# Altium PCB keyboard_main.PcbDoc (continued)
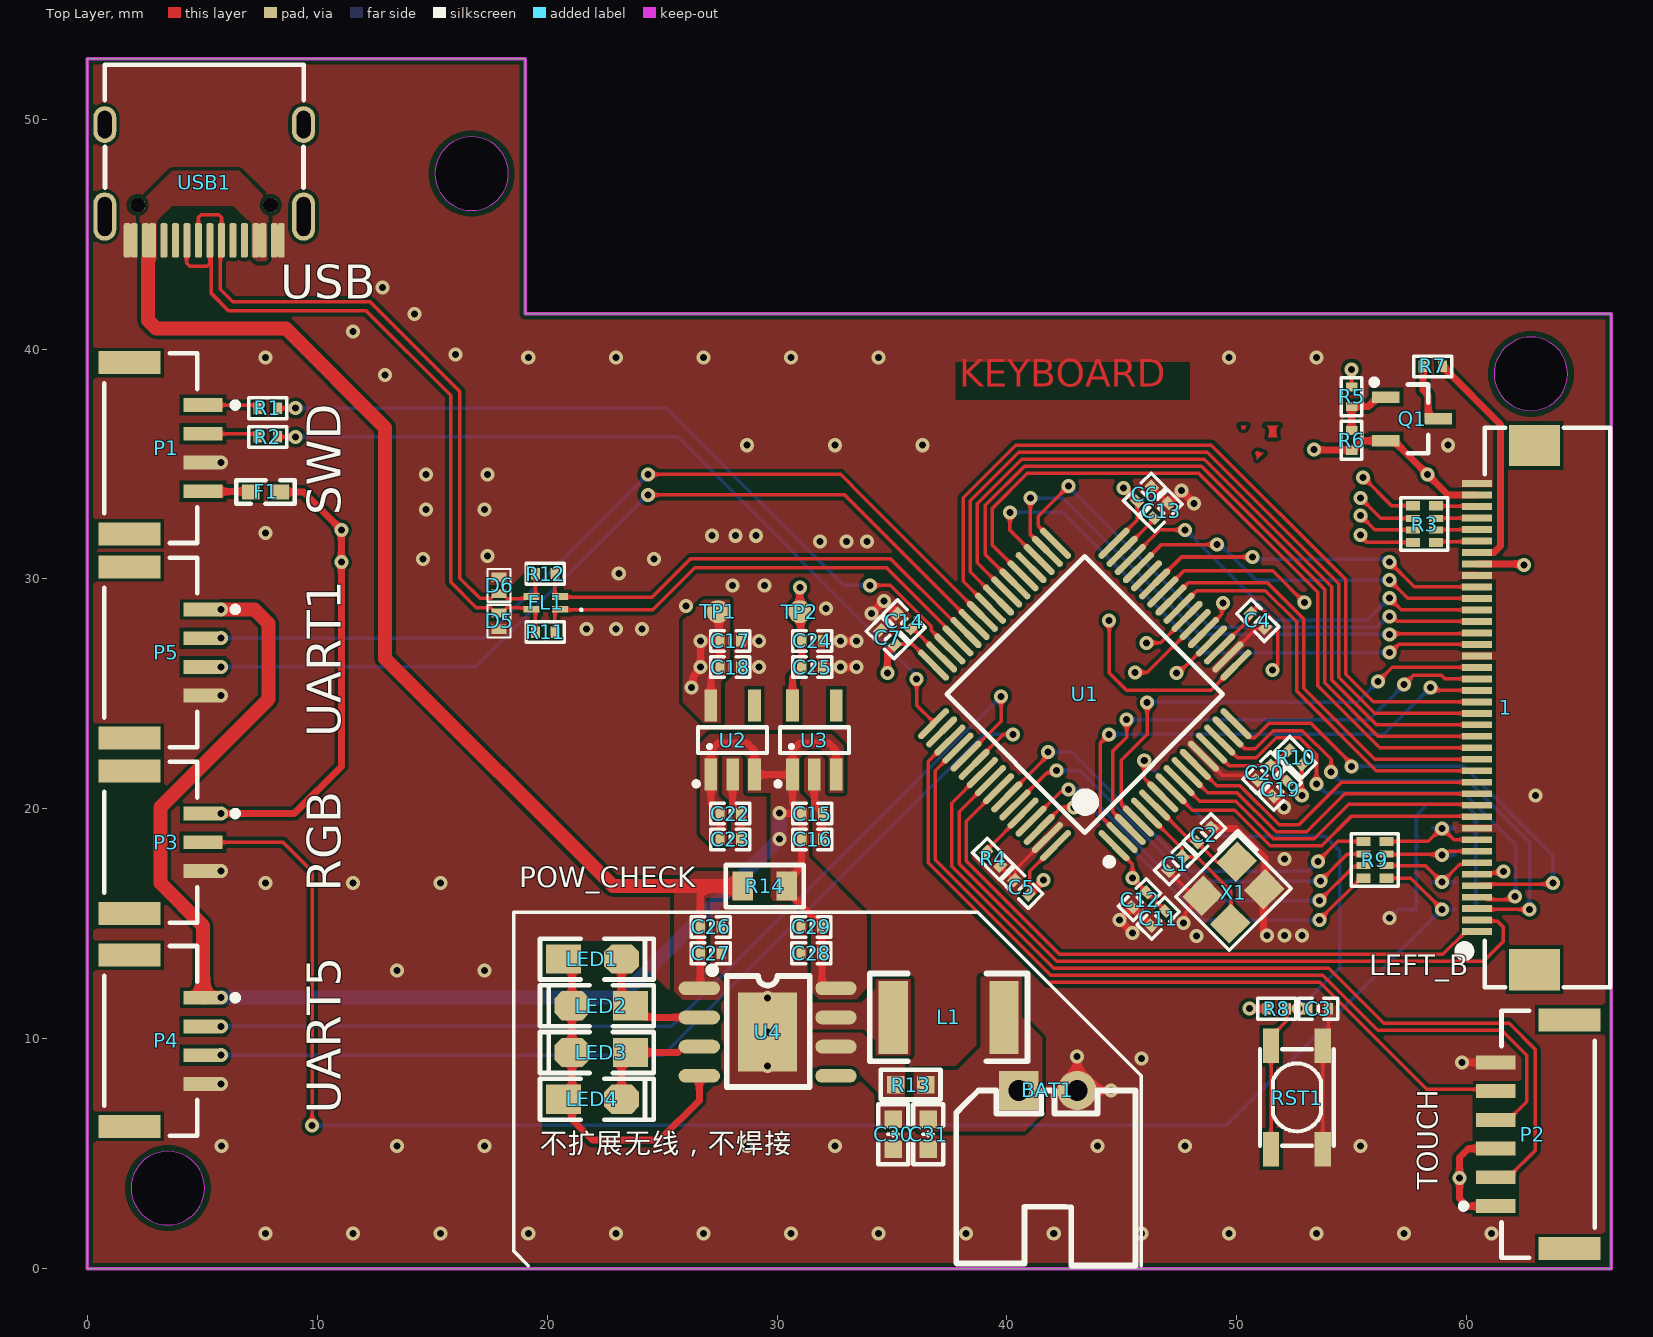
[diagram p0: Top Layer view]
## Footprints (in the part's own frame and the unit in brackets; to place one, negate y for a bottom-side part, rotate by r counter-clockwise, add the part's x,y. Pads: shape width x height; smd on the part's side, far side on the other; paste and mask are expansions set on the pad)
"C 0402_L" [mm] "无极性贴片电容         淘宝ID:黄晶宝石"
  rect 0.4x0.5 smd: 1(-0.45,0) 2(0.45,0)
  silkscreen extent -0.85,-0.45 0.85,0.45, body extent -0.5,-0.26 0.5,0.26, height 0.53
"C 0603_L" [mil] "无极性贴片电容                                       淘宝ID:黄晶宝石"
  rect 30x30 smd: 1(-25.59,0) 2(25.59,0)
  silkscreen extent -51,-26 51,26, body extent -31,-16 31,16, height 32
DLP11SA350HL2B [mm]
  rect 0.7x0.3 smd: 1(-0.625,0.275) 2(0.625,0.275) 3(0.625,-0.275) 4(-0.625,-0.275)
  silkscreen extent -1.6,0.25 -1.5,0.35, body extent -0.63,-0.5 0.63,0.5, height 0.82
"FPC0.5 2H-WS-40P" [mm] "长：24.2mm，宽：5.2mm，高：2mm 淘宝ID:黄晶宝石   店铺网址:https://shop463601444.taobao.com"
  rect 1.8x2.2 smd: 0(-11.4,0) 0(11.4,0)
  rect 0.3x1.3 smd: 1(-9.75,2.497) 2(-9.25,2.497) 3(-8.75,2.497) 4(-8.25,2.497) 5(-7.75,2.497) 6(-7.25,2.497) 7(-6.75,2.497) 8(-6.25,2.497) 9(-5.75,2.497) 10(-5.25,2.497) 11(-4.75,2.497) 12(-4.25,2.497) 13(-3.75,2.497) 14(-3.25,2.497) 15(-2.75,2.497) 16(-2.25,2.497) 17(-1.75,2.497) 18(-1.25,2.497) 19(-0.75,2.497) 20(-0.25,2.497) 21(0.25,2.497) 22(0.75,2.497) 23(1.25,2.497) 24(1.75,2.497) 25(2.25,2.497) 26(2.75,2.497) 27(3.25,2.497) 28(3.75,2.497) 29(4.25,2.497) 30(4.75,2.497) 31(5.25,2.497) 32(5.75,2.497) 33(6.25,2.497) 34(6.75,2.497) 35(7.25,2.497) 36(7.75,2.497) 37(8.25,2.497) 38(8.75,2.497) 39(9.25,2.497) 40(9.75,2.497)
  silkscreen extent -12.17,-3.3 12.17,3.23, body extent -12.1,-3.15 12.1,2.85, height 2
"FU 0402" [mil] "贴片保险丝          淘宝ID:黄晶宝石"
  rect 30x25 smd: 1(-25,0) 2(25,0)
  silkscreen extent -50,-20 50,20, body extent -20,-10 20,10, height 15
JST-SM03B-GHS-TB_V [mm] "SMD, 3-Leads, Body 7.00x4.05mm, Pitch 1.25mm"
  rect 0.6x1.7 smd: 1(-1.25,1.6) 2(0,1.6) 3(1.25,1.6)
  rect 1x2.7 smd: MP1(-3.1,-1.6) MP2(3.1,-1.6)
  silkscreen extent -3.5,-2.7 3.5,3.13, body extent -3.5,-2.7 3.5,2.15, height 4.35
JST-SM04B-GHS-TB_V [mm] "SMD, 4-Leads, Body 8.25x4.05mm, Pitch 1.25mm"
  rect 0.6x1.7 smd: 1(-1.875,1.6) 2(-0.625,1.6) 3(0.625,1.6) 4(1.875,1.6)
  rect 1x2.7 smd: MP1(-3.725,-1.6) MP2(3.725,-1.6)
  silkscreen extent -4.13,-2.7 4.13,3.12, body extent -4.12,-2.7 4.13,2.15, height 4.35
JST-SM06B-GHS-TB_V [mm] "SMD, 6-Leads, Body 10.75x4.05mm, Pitch 1.25mm"
  rect 0.6x1.7 smd: 1(-3.125,1.6) 2(-1.875,1.6) 3(-0.625,1.6) 4(0.625,1.6) 5(1.875,1.6) 6(3.125,1.6)
  rect 1x2.7 smd: MP1(-4.975,-1.6) MP2(4.975,-1.6)
  silkscreen extent -5.38,-2.7 5.38,3.12, body extent -5.37,-2.7 5.38,2.15, height 4.35
"L 1812" [mil] "小功率贴片电感"
  rect 50x125 smd: 1(-95,0) 2(95,0)
  silkscreen extent -135,-75 135,75, body extent -89,-63 89,63, height 59
"LED 0805G" [mil] "绿色0805LED                              淘宝ID:黄晶宝石"
  rect 60x50 smd: 1(-50,0)
  oct 60x50 smd: 2(50,0)
  silkscreen extent -90,-35 105,35, body extent -39,-25 39,25, height 26
LQFP-64_10X10X05P [mm]
  oval 1.796x0.28 smd: 1(-5.55,3.75) 2(-5.55,3.25) 3(-5.55,2.75) 4(-5.55,2.25) 5(-5.55,1.75) 6(-5.55,1.25) 7(-5.55,0.75) 8(-5.55,0.25) 9(-5.55,-0.25) 10(-5.55,-0.75) 11(-5.55,-1.25) 12(-5.55,-1.75) 13(-5.55,-2.25) 14(-5.55,-2.75) 15(-5.55,-3.25) 16(-5.55,-3.75) 33(5.55,-3.75) 34(5.55,-3.25) 35(5.55,-2.75) 36(5.55,-2.25) 37(5.55,-1.75) 38(5.55,-1.25) 39(5.55,-0.75) 40(5.55,-0.25) 41(5.55,0.25) 42(5.55,0.75) 43(5.55,1.25) 44(5.55,1.75) 45(5.55,2.25) 46(5.55,2.75) 47(5.55,3.25) 48(5.55,3.75)
  oval 0.28x1.796 smd: 17(-3.75,-5.55) 18(-3.25,-5.55) 19(-2.75,-5.55) 20(-2.25,-5.55) 21(-1.75,-5.55) 22(-1.25,-5.55) 23(-0.75,-5.55) 24(-0.25,-5.55) 25(0.25,-5.55) 26(0.75,-5.55) 27(1.25,-5.55) 28(1.75,-5.55) 29(2.25,-5.55) 30(2.75,-5.55) 31(3.25,-5.55) 32(3.75,-5.55) 49(3.75,5.55) 50(3.25,5.55) 51(2.75,5.55) 52(2.25,5.55) 53(1.75,5.55) 54(1.25,5.55) 55(0.75,5.55) 56(0.25,5.55) 57(-0.25,5.55) 58(-0.75,5.55) 59(-1.25,5.55) 60(-1.75,5.55) 61(-2.25,5.55) 62(-2.75,5.55) 63(-3.25,5.55) 64(-3.75,5.55)
  silkscreen extent -6.05,-4.25 4.25,4.55, body extent -5.89,-5.89 5.89,5.89, height 1.55
"OSC 3225-4P" [mm] "3.2*2.5*0.7mm(长宽高)                         淘宝ID:黄晶宝石"
  rect 1.3x1.2 smd: 1(-1.05,-0.85) 2(1.05,-0.85) 3(1.05,0.85) 4(-1.05,0.85)
  silkscreen extent -2.03,-1.75 1.9,1.65, body extent -1.6,-1.25 1.6,1.25, height 0.7
"R 0402_L" [mm] "1/16W贴片电阻     淘宝ID:黄晶宝石"
  rect 0.4x0.5 smd: 1(-0.4,0) 2(0.45,0)
  silkscreen extent -0.8,-0.45 0.85,0.45, body extent -0.5,-0.25 0.5,0.25, height 0.3
"R 0603_L" [mil] "1/10W贴片电阻                 淘宝ID:黄晶宝石"
  rect 30x30 smd: 1(-25.59,0) 2(25.59,0)
  silkscreen extent -51,-26 51,26, body extent -31,-16 32,16, height 16
"R 0805_L" [mil] "1/8W贴片电阻"
  rect 35x50 smd: 1(-37.4,0) 2(37.4,0)
  silkscreen extent -67,-36 67,36, body extent -39,-25 39,25, height 20
RCA-8P4R-0402 [mm] "2mm*1mm*0.45mm(长*宽*厚)"
  rect 0.4x0.6 smd: 1(-0.8,-0.5) 4(0.8,-0.5) 5(0.8,0.5) 8(-0.8,0.5)
  rect 0.3x0.6 smd: 2(-0.25,-0.5) 3(0.25,-0.5) 6(0.25,0.5) 7(-0.25,0.5)
  silkscreen extent -1.14,-1.02 1.15,1.01, body extent -1,-0.5 1,0.5, height 0.45
SMD-3.2*4.2 [mm]
  rect 1.5x0.7 smd: 1(-2.25,1.125) 1(2.25,1.125) 2(-2.25,-1.125) 2(2.25,-1.125)
  silkscreen extent -2.1,-1.6 2.1,1.6, body extent -2.73,-1.6 2.47,1.58, height 1.8
SOD-882_L1.0-W0.6-BI [mm]
  rect 0.4x0.65 smd: 1(-0.35,0) 2(0.35,0)
  silkscreen extent -0.71,-0.5 0.71,0.5, body extent -0.51,-0.3 0.49,0.3, height 0.43
SOP-8_EP_150mil [mm]
  oval 0.6x1.798 smd: 1(-1.905,-2.972) 2(-0.635,-2.972) 3(0.635,-2.972) 4(1.905,-2.972) 5(1.905,2.972) 6(0.635,2.972) 7(-0.635,2.972) 8(-1.905,2.972)
  rect 3.45x2.56 smd: 9(0,0)
  silkscreen extent -2.84,-2.56 2.39,1.83, body extent -2.5,-3.17 2.5,2.83, height 1.9
SOT23-3N [mm] "3x1.3x1mm(长宽高)    封装库来自淘宝卖家 ID：黄晶宝石"
  rect 0.5x1.2 smd: 1(-0.95,-1.143) 2(0.95,-1.143) 3(0,1.143)
  silkscreen extent -1.72,-1.78 1.5,0.7, body extent -1.5,-1.2 1.5,1.2, height 1.05
SOT23-5M [mm] "3x1.6x1.1mm(长宽高) 封装库来自淘宝卖家 ID：黄晶宝石"
  rect 0.55x1.4 smd: 1(-0.95,-1.5) 2(0,-1.5) 3(0.95,-1.5) 4(0.95,1.5) 5(-0.95,1.5)
  silkscreen extent -1.66,-1.98 1.5,0.56, body extent -1.5,-1.4 1.5,1.4, height 1.15
"TEST 1" [mm] "测试点1mm"
  round 1 smd paste-1: 1(0,0)
Type-C-TOP [mm]
  round 0.65 hole 0.65: 0(-0.98,2.89) 0(-0.98,-2.89)
  oval 1.6x1 hole 0.6 slot 1.2 at 0 deg: 1(2.52,4.325) 2(2.52,-4.325)
  oval 2.1x1 hole 0.6 slot 1.7 at 0 deg: 3(-1.48,-4.325) 4(-1.48,4.325)
  rrect50% 1.5x0.3 smd: A1(-2.52,-3.35) A4(-2.52,-2.55) A5(-2.52,-1.25) A6(-2.52,-0.25) A7(-2.52,0.25) A8(-2.52,1.25) A9(-2.52,2.55) A12(-2.52,3.35) B1(-2.52,3.05) B4(-2.52,2.25) B5(-2.52,1.75) B6(-2.52,0.75) B7(-2.52,-0.75) B8(-2.52,-1.75) B9(-2.52,-2.25) B12(-2.52,-3.05)
  silkscreen extent -0.22,-4.33 5.12,4.33, body extent -2.64,-4.48 5.26,4.46, height 3.28
XH2.54-WI-2P [mm] "接插件，2P"
  rect 1.7x1.7 hole 0.9: 1(-1.27,0)
  round 1.7 hole 0.9: 2(1.27,0)
  silkscreen extent -3.99,-7.62 3.81,0, body extent -3.77,-7.35 3.77,0.35, height 5.73

## Part data
1: library part FPC-40P, "FPC连接器", BOM名称=FPC连接器, 学习资源=https://lmdzstyle.taobao.com/, 版权归属=黎明电子style
BAT1: library part "Header 2", "2P接插件"
C1 C2 C3 C4 C5 C6 C7 C8 C9 C10 C11 C12 C13 C14 C15 C16 C17 C18 C19 C20 C21 C22 C23 C24 C25 C26 C27 C28 C29 C30 C31: library part C, "贴片电容"
D1 D2 D3 D4 D5 D6: "PESD5V0F1BL,315、ESD二极管、5.5V"
F1: library part FU, "贴片保险丝"
FL1: "Filter", Manufacturer_Name="Murata Electronics", Mouser Part Number=81-DLP11SN900HL2B, Datasheet Link=https://www.murata.com/en-us/products/productdetail?partno=DLP11SN900HL2%23, Height=0.92mm, Manufacturer_Part_Number=DLP11SN900HL2B, Mouser Price/Stock=https://www.mouser.co.uk/ProductDetail/Murata-Electronics/DLP11SN900HL2B?qs=%2F%252BYoplLUB5ikZtvOhZcMEg%3D%3D
L1: library part L, "小功率贴片电感"
LED1 LED2 LED3 LED4: library part LED-SMD, "贴片LED"
P1 P4 P5: library part SM04B-GHS-TB(LF)(SN), "GH Disconnectable Crimp Style Connector, Pitch 1.25 mm, 1 x 4 Position, Height 4.25 mm, -25 to 85 degC, RoHS, Tape and Reel", Manufacturer=JST, Package Description="GH Disconnectable Crimp Style Connector, Pitch 1.25 mm, 1 x 4 Position, Height 4.25 mm", Package Reference=SM04B-GHS-TB, Datasheet URL=http://www.jst-mfg.com/product/pdf/eng/eGH.pdf, Datasheet Version=05/2016, Manufacturer URL=http://www.jst.com/home2.html, Mounting Technology=SurfaceMount, No of Positions=4, Pitch=1.25mm, Style/Orientation=RightAngleHeader/Plug, Termination=Crimp, Type=WiretoBoard
P2: library part SM06B-GHS-TB(LF)(SN), "GH Disconnectable Crimp Style Connector, Pitch 1.25 mm, 1 x 6 Position, Height 4.25 mm, -25 to 85 degC, RoHS, Tape and Reel", Manufacturer=JST, Package Description="GH Disconnectable Crimp Style Connector, Pitch 1.25 mm, 1 x 6 Position, Height 4.25 mm", Package Reference=SM06B-GHS-TB, Datasheet URL=http://www.jst-mfg.com/product/pdf/eng/eGH.pdf, Datasheet Version=05/2016, Manufacturer URL=http://www.jst.com/home2.html, Mounting Technology=SurfaceMount, No of Positions=6, Pitch=1.25mm, Style/Orientation=RightAngleHeader/Plug, Termination=Crimp, Type=WiretoBoard
P3: library part SM03B-GHS-TB(LF)(SN), "GH Disconnectable Crimp Style Connector, Pitch 1.25 mm, 1 x 3 Position, Height 4.25 mm, -25 to 85 degC, RoHS, Tape and Reel", Manufacturer=JST, Package Description="GH Disconnectable Crimp Style Connector, Pitch 1.25 mm, 1 x 3 Position, Height 4.25 mm", Package Reference=SM03B-GHS-TB, Datasheet URL=http://www.jst-mfg.com/product/pdf/eng/eGH.pdf, Datasheet Version=05/2016, Manufacturer URL=http://www.jst.com/home2.html, Mounting Technology=SurfaceMount, No of Positions=3, Pitch=1.25mm, Style/Orientation=RightAngleHeader/Plug, Termination=Crimp, Type=WiretoBoard
Q1: library part 8550-SMD, "高频放大-PNP型"
R1 R2 R4 R5 R6 R7 R8 R10 R11 R12 R13 R14: library part R, "贴片电阻"
R3 R9: library part R-8P4R, "贴片排阻"
TP1 TP2: library part TEST, "测试点"
U4: BOM_JLCPCB Part Class="Extended Part", BOM_Manufacturer=INJOINIC, BOM_Manufacturer Part=IP5306, BOM_Supplier=LCSC, BOM_Supplier Part=C181692, Contributor=LCSC, spicePre=U, spiceSymbolName=IP5306
X1: library part XTAL-4P, "4脚无源晶振"

## Via types
v1: diameter 0.61, hole 0.305, Top Layer to Bottom Layer, tented both sides, 184 vias

## Nets (pads, with @x,y where several pads share a name; then routed paths per layer and width w, separated by ;. In a path a pad name is that pad's centre, name@x,y a point inside that pad or via, vN(x,y) a via of type N, cw(c..) or ccw(c..) an arc to the next point about the centre after c; other vN are vias at no path point)
AVCC3V3: C19.1 C20.1 R10.2 U1.13 | length 5
  Top Layer w0.152: U1.13 49.659,21.882 51.258,21.882 51.293,21.917 51.468,21.917 C20.1 ; C19.1 C20.1 ; R10.2 51.598,21.882 C20.1
BAT: BAT1.1 C31.1 L1.2 R13.2
BOOT0: R4.1 U1.60 | length 2.4
  Top Layer w0.152: R4.1 39.102,18.181 40.698,19.777 U1.60
GND: 1.10 1.25 1.32 1.40 BAT1.2 C1.2 C2.2 C3.2 C4.1 C5.1 C6.1 C7.1 C8.1 C9.1 C10.1 C11.1 C12.1 C13.1 C14.1 C15.2 C16.2 C17.2 C18.2 C19.2 C20.2 C21.1 C22.2 C23.2 C24.2 C25.2 C26.2 C27.2 C28.2 C29.2 C30.1 C31.2 D1.2 D2.2 D3.2 D4.2 D5.2 D6.2 P1.3 P2.6 P3.3 P4.4 P5.4 R4.2 RST1.2 U1.12 U1.18 U1.63 U2.2 U3.2 U4.9 USB1.A1 USB1.A12 USB1.B1 USB1.B12 X1.2 X1.4 | length 69.1
  Top Layer w0.152: P4.4 v1(5.811,8.031) ; P3.3 v1(5.811,17.292) ; P5.4 v1(5.811,24.922) ; P1.3 v1(5.811,35.062) ; C7.1 C14.1 ; R4.2 C5.1 40.36,16.935 40.36,17.352 U1.63 ; C6.1 C13.1 ; C1.2 48.099,16.211 X1.2 47.763,15.467 47.763,15.124 v1(47.675,15.036) ; U1.12 49.371,21.463 50.475,21.463 50.692,21.245 C20.2 ; U1.18 50.847,27.84 51.198,27.84 C4.1 ; RST1.2@53.741,5.189 53.741,9.689 53.986,9.934 C3.2
  Top Layer w0.305: U2.2 28.067,20.189 28.417,19.838 C22.2 C23.2 ; C18.2 v1(29.21,26.162) ; C17.2 v1(29.21,27.305) ; v1(29.591,8.809) v1(29.591,10.287) v1(29.591,11.765) ; U3.2 31.623,20.189 31.973,19.838 C15.2 C16.2 ; v1(32.766,26.162) C25.2 v1(33.451,26.162) ; v1(32.766,27.305) C24.2 v1(33.451,27.305) ; v1(34.102,28.501) v1(34.645,29.044) C14.1 ; v1(43.053,9.225) BAT1.2 v1(44.531,7.747) ; v1(45.453,14.605) v1(44.892,15.166) C12.1 C11.1 ; C13.1 v1(47.587,33.845) v1(48.147,33.285) ; C2.2 48.947,19.15 49.938,19.15 51.23,17.858 51.23,16.53 X1.4 51.159,16.459 51.159,14.709 51.308,14.56 v1(51.308,14.478) ; C20.2 C19.2 v1(52.047,20.066) ; RST1.2@53.741,4.953 RST1.2@53.741,5.189 ; v1(59.787,8.967) P2.6
  Bottom Layer w0.152: v1(56.642,15.24) 57.023,15.621 D4.2 D3.2 D2.2 D1.2 57.816,19.716 58.293,20.193 59.944,20.193 60.394,19.743 C8.1 C10.1 C21.1
  other v1: 7.747,1.524 11.557,1.524 15.367,1.524 19.177,1.524 22.987,1.524 26.797,1.524 30.607,1.524 34.417,1.524 38.227,1.524 42.037,1.524 45.847,1.524 49.657,1.524 53.467,1.524 57.277,1.524 61.087,1.524 5.842,5.334 13.462,5.334 17.272,5.334 28.702,5.334 32.512,5.334 43.942,5.334 47.752,5.334 55.372,5.334 45.847,9.144 13.462,12.954 17.272,12.954 48.247,14.465 52.07,14.478 52.832,14.478 7.747,16.764 11.557,16.764 15.367,16.764 52.07,17.805 62.992,20.574 21.717,27.813 22.987,27.813 24.13,27.813 32.131,28.702 26.035,28.829 28.067,29.718 29.464,29.718 23.114,30.226 14.605,30.861 24.638,30.861 17.399,30.988 31.877,31.623 33.02,31.623 33.909,31.623 27.178,31.877 28.194,31.877 29.083,31.877 7.747,32.004 14.732,33.02 17.272,33.02 14.732,34.544 17.399,34.544 28.702,35.814 32.512,35.814 36.322,35.814 59.182,35.814 12.954,38.862 7.747,39.624 19.177,39.624 22.987,39.624 26.797,39.624 30.607,39.624 34.417,39.624 49.657,39.624 53.467,39.624 16.002,39.751 11.557,40.767 14.224,41.529 12.827,42.672
KEY_POS1: 1.11 U1.8 | length 14.9
  Top Layer w0.152: U1.8 48.067,19.939 49.911,19.939 51.46,18.39 53.696,18.39 54.991,19.685 60.42,19.685 1.11
KEY_POS2: 1.12 U1.9 | length 14.7
  Top Layer w0.152: U1.9 48.392,20.32 49.961,20.32 51.587,18.694 53.365,18.694 54.864,20.193 60.412,20.193 1.12
KEY_POS3: 1.13 U1.10 | length 14.4
  Top Layer w0.152: U1.10 47.855,21.58 48.733,20.701 50.011,20.701 51.713,18.999 53.035,18.999 54.689,20.653 1.13
KEY_POS4: 1.14 U1.11 | length 14.1
  Top Layer w0.152: U1.11 49.121,21.006 50.137,21.006 51.839,19.304 52.705,19.304 54.554,21.153 1.14
KEY_POS5: 1.15 U1.24 | length 18.3
  Top Layer w0.152: U1.24 48.254,29.489 51.242,29.489 52.603,28.128 52.603,25.121 56.071,21.653 1.15
KEY_POS6: 1.16 U1.25 | length 18.6
  Top Layer w0.152: U1.25 47.885,29.827 51.335,29.827 52.908,28.254 52.908,25.247 56.002,22.153 1.16
KEY_POS7: 1.17 U1.37 | length 32.5
  Top Layer w0.152: U1.37 39.37,31.464 39.37,33.074 40.891,34.595 48.336,34.595 53.518,29.413 53.518,25.349 56.214,22.653 1.17
KEY_POS8: 1.18 U1.38 | length 33.3
  Top Layer w0.152: U1.38 39.065,31.061 39.065,33.2 40.765,34.9 48.462,34.9 53.823,29.539 53.823,25.475 56.145,23.153 1.18
KEY_POS9: 1.19 U1.39 | length 34.1
  Top Layer w0.152: U1.39 38.71,30.71 38.71,33.275 40.638,35.204 48.589,35.204 54.127,29.666 54.127,25.602 56.076,23.653 1.19
KEY_POS10: 1.20 U1.40 | length 34.8
  Top Layer w0.152: U1.40 38.405,30.308 38.405,33.402 40.512,35.509 48.715,35.509 54.432,29.792 54.432,25.728 56.007,24.153 1.20
KEY_POS11: 1.21 U1.41 | length 35.6
  Top Layer w0.152: U1.41 38.1,29.906 38.1,33.528 40.386,35.814 48.895,35.814 54.737,29.972 54.737,25.854 55.938,24.653 1.21
KEY_POS12: 1.22 U1.2 | length 21.9
  Top Layer w0.152: v1(44.45,23.241) 44.069,22.86 44.069,19.694 U1.2 ; v1(58.42,25.273) 58.54,25.153 1.22
  Bottom Layer w0.152: v1(44.45,23.241) 56.388,23.241 v1(58.42,25.273)
KEY_POS13: 1.23 U1.3 | length 21.4
  Top Layer w0.152: v1(45.212,23.876) 45.212,23.116 44.613,22.516 44.613,19.857 U1.3 ; v1(57.277,25.4) 57.683,25.806 58.903,25.806 59.056,25.653 1.23
  Bottom Layer w0.152: v1(45.212,23.876) 55.753,23.876 v1(57.277,25.4)
KEY_POS14: 1.24 U1.4 | length 20.9
  Top Layer w0.152: U1.4 44.966,20.211 44.966,22.106 46.101,23.241 v1(46.101,24.613) ; v1(56.134,25.527) 56.76,26.153 1.24
  Bottom Layer w0.152: v1(46.101,24.613) 46.126,24.638 55.245,24.638 v1(56.134,25.527)
KEY_SEG1: 1.31 U1.27 | length 15
  Top Layer w0.152: U1.27 47.596,30.952 v1(50.673,30.952) ; v1(56.642,30.734) 57.723,29.653 1.31
  Bottom Layer w0.152: v1(50.673,30.952) 50.797,30.952 50.891,30.859 56.517,30.859 v1(56.642,30.734)
KEY_SEG2: 1.30 U1.29 | length 16.1
  Top Layer w0.152: U1.29 46.725,31.496 v1(49.149,31.496) ; v1(56.642,29.947) 57.436,29.153 1.30
  Bottom Layer w0.152: v1(49.149,31.496) 49.284,31.496 50.833,29.947 v1(56.642,29.947)
KEY_SEG3: 1.29 U1.30 | length 17.9
  Top Layer w0.152: U1.30 46.653,32.131 v1(47.752,32.131) ; v1(56.642,29.159) 57.148,28.653 1.29
  Bottom Layer w0.152: v1(47.752,32.131) 47.76,32.131 51.697,28.194 55.677,28.194 v1(56.642,29.159)
KEY_SEG4: 1.28 U1.33 | length 24
  Top Layer w0.152: U1.33 41.36,32.302 41.36,32.724 v1(42.672,34.036) ; v1(56.642,28.372) 56.766,28.372 56.985,28.153 1.28
  Bottom Layer w0.152: v1(42.672,34.036) 48.819,27.889 56.069,27.889 56.552,28.372 v1(56.642,28.372)
KEY_SEG5: 1.27 U1.34 | length 24.6
  Top Layer w0.152: v1(41.021,33.528) 41.021,31.934 U1.34 ; v1(56.642,27.584) 56.676,27.619 60.418,27.619 1.27
  Bottom Layer w0.152: v1(41.021,33.528) 41.046,33.503 42.443,33.503 48.362,27.584 v1(56.642,27.584)
KEY_SEG6: 1.26 U1.35 | length 25.6
  Top Layer w0.152: v1(40.132,32.893) 40.132,32.116 U1.35 ; v1(56.642,26.797) 56.684,26.797 57.04,27.153 1.26
  Bottom Layer w0.152: v1(40.132,32.893) 42.418,32.893 48.514,26.797 v1(56.642,26.797)
KEY_SEG7: U1.36
LCD_BLK: R5.1 U1.17 | length 26
  Top Layer w0.152: v1(44.45,28.194) 44.45,25.908 45.212,25.146 48.861,25.146 U1.17 ; R5.1 v1(54.991,39.116)
  PWR w0.152: v1(44.45,28.194) 46.863,28.194 54.991,36.322 v1(54.991,39.116)
LEDA: 1.34 R7.1 | length 10
  Top Layer w0.305: R7.1 58.947,39.193 58.995,39.145 59.045,39.145 61.468,36.722 61.468,31.438 61.185,31.155 60.454,31.155 1.34
LEFT_A: 1.2 U1.56 | length 31.9
  Top Layer w0.152: U1.56 37.922,19.864 37.922,17.6 42.162,13.36 60.731,13.36 61.595,14.224 61.595,14.859 61.341,15.113 60.492,15.113 1.2
LEFT_B: 1.1 U1.57 | length 28
  Top Layer w0.152: U1.57 38.227,19.462 38.227,17.726 42.288,13.665 58.964,13.665 59.952,14.653 1.1
LEFT_KEY: 1.6 U1.26 | length 23.6
  Top Layer w0.152: U1.26 47.704,30.353 51.564,30.353 v1(52.947,28.97) ; 1.6 60.511,17.213 61.536,17.213 v1(61.595,17.272)
  GND w0.152: v1(52.947,28.97) 52.947,27.571 61.595,18.923 v1(61.595,17.272)
Net1_7: 1.7 C10.2 D3.1 R9.6 | length 5.6
  Top Layer w0.152: R9.6 58.204,17.53 v1(58.928,16.806) 59.701,17.579 60.378,17.579 1.7
  Bottom Layer w0.152: D3.1 v1(58.928,16.806) C10.2
Net1_8: 1.8 C9.2 D2.1 R9.7 | length 5
  Top Layer w0.152: R9.7 56.526,18.011 v1@58.909,18.011 ; v1(58.928,17.992) v1@58.909,18.011 ; 1.8 59.213,18.153 59.071,18.011 v1@58.909,18.011
  Bottom Layer w0.152: D2.1 v1(58.928,17.992) C9.2
Net1_9: 1.9 C8.2 D1.1 R9.8 | length 5.4
  Top Layer w0.152: R9.8 58.331,18.58 58.903,19.152 v1(58.928,19.152) ; v1@58.928,19.177 59.45,18.655 60.45,18.655 1.9
  Bottom Layer w0.152: D1.1 58.541,19.152 v1(58.928,19.152) 59.469,19.152 C8.2
Net1_35: 1.35 R3.5 | length 1.8
  Top Layer w0.152: R3.5 58.7,31.619 60.418,31.619 1.35
Net1_36: 1.36 R3.6 | length 1.8
  Top Layer w0.152: R3.6 58.675,32.144 60.443,32.144 1.36
Net1_37: 1.37 R3.7 | length 1.8
  Top Layer w0.152: R3.7 58.675,32.644 60.443,32.644 1.37
Net1_38: 1.38 R3.8 | length 1.8
  Top Layer w0.152: R3.8 58.682,33.169 60.436,33.169 1.38
NetC1_1: C1.1 U1.5 X1.3 | length 6.6
  Top Layer w0.152: U1.5 47.619,18.265 C1.1@47.619,17.964 ; C1.1 47.69,17.893 48.274,17.893 49.745,16.422 49.745,15.045 X1.3
NetC2_1: C2.1 U1.6 X1.1 | length 4.6
  Top Layer w0.152: U1.6 47.505,19.086 48.007,18.585 48.24,18.585 49.128,17.696 49.181,17.696 49.216,17.661 49.957,17.661 X1.1
NetC13_2: C13.2 U1.31 | length 2
  Top Layer w0.152: U1.31 46.39,32.574 C13.2
NetC14_2: C14.2 U1.47 | length 1.8
  Top Layer w0.152: C14.2 35.915,27.848 U1.47
NetC30_2: C30.2 R13.1 U4.6
NetF1_2: F1.2 P1.4 | length 2.1
  Top Layer w0.305: P1.4 5.044,33.797 7.097,33.797 F1.2
NetL1_1: L1.1 U4.7
NetLED1_1: LED1.1 LED2.2 LED3.2 LED4.1 U4.4 | length 15.1
  Top Layer w0.305: LED1.1 21.082,13.081 LED2.2 LED3.2 21.082,7.747 LED4.1 21.082,6.985 21.082,6.477 21.971,5.588 24.892,5.588 26.619,7.315 U4.4
NetLED1_2: LED1.2 LED2.1 U4.2 | length 5.4
  Top Layer w0.305: LED1.2 23.241,11.811 LED2.1 23.749,11.43 24.257,10.922 U4.2
NetLED3_1: LED3.1 LED4.2 U4.3 | length 5.3
  Top Layer w0.305: LED4.2 23.241,9.017 LED3.1 25.686,9.398 25.94,9.652 U4.3
NetP1_1: P1.1 R1.2 | length 2.5
  Top Layer w0.152: P1.1 7.3,37.562 7.424,37.438 R1.2
NetP1_2: P1.2 R2.2 | length 2.5
  Top Layer w0.152: P1.2 7.3,36.312 7.424,36.188 R2.2
NetQ1_1: Q1.1 R5.2 R6.1 | length 2.7
  Top Layer w0.305: R6.1 R5.2 55.733,37.504 56.136,37.907 Q1.1
NetQ1_3: Q1.3 R7.2 | length 2.8
  Top Layer w0.305: R7.2 58.097,38.213 58.324,37.987 58.324,37.055 58.422,36.957 Q1.3
nRST: C3.1 R8.1 RST1.1 U1.7 | length 27
  Top Layer w0.152: v1(45.974,22.098) 45.974,21.324 U1.7 ; RST1.1@51.491,5.189 51.491,9.689 51.491,10.089 52.158,10.756 R8.1 C3.1
  Bottom Layer w0.152: v1(45.974,22.098) 49.276,18.796 53.848,18.796 54.483,18.161 54.483,13.081 v1(52.705,11.303)
POWER_WAKE_UP: U4.5
RES: R3.4 U1.22 | length 18.7
  Top Layer w0.152: v1(45.57,25.931) 46.11,25.931 U1.22 ; v1(55.372,31.902) 55.372,31.877 55.664,31.585 R3.4
  PWR w0.152: v1(45.57,25.931) 46.126,25.375 48.597,25.375 55.125,31.902 v1(55.372,31.902)
RGB: C21.2 D4.1 P3.2 R9.5 | length 72.9
  Top Layer w0.152: P3.2 8.509,18.542 9.779,17.272 v1(9.779,6.223) ; R9.5 57.569,16.98 v1(58.928,15.621)
  Bottom Layer w0.152: v1(9.779,6.223) 49.53,6.223 v1(58.928,15.621) C21.2
RS: R3.3 U1.20 | length 15.5
  Top Layer w0.152: v1(47.371,25.908) 47.467,25.908 48.866,27.307 U1.20 ; v1(55.372,32.766) 56.003,32.135 R3.3
  PWR w0.152: v1(47.371,25.908) 48.387,25.908 55.084,32.605 55.087,32.605 55.248,32.766 v1(55.372,32.766)
SCL: R3.1 U1.21 | length 12.7
  Top Layer w0.152: U1.21 49.344,28.457 49.344,28.897 v1(49.402,28.956) ; v1(55.499,34.417) 56.731,33.185 R3.1
  PWR w0.152: v1(49.402,28.956) 50.038,28.956 v1(55.499,34.417)
SDA: R3.2 U1.23 | length 17.4
  Top Layer w0.152: v1(46.062,27.217) 46.689,27.217 U1.23 ; v1(55.372,33.528) 56.265,32.635 R3.2
  PWR w0.152: v1(46.062,27.217) 46.736,26.543 48.387,26.543 v1(55.372,33.528)
SW_KEY_A: 1.4 U1.14 | length 20.3
  Top Layer w0.152: U1.14 50.023,22.225 50.85,22.225 51.715,23.09 52.729,23.09 53.467,22.352 v1(53.467,21.082) ; 1.4 60.503,16.205 60.715,16.205 60.867,16.053 61.969,16.053 v1(62.103,16.186)
  Bottom Layer w0.152: v1(53.467,21.082) 53.848,20.701 59.867,20.701 62.128,18.44 62.128,16.212 v1(62.103,16.186)
SW_KEY_B: 1.3 U1.15 | length 21.3
  Top Layer w0.152: U1.15 50.347,22.608 50.544,22.608 50.546,22.606 50.8,22.606 51.589,23.395 52.855,23.395 54.102,22.148 v1(54.102,21.59) ; 1.3 60.484,15.621 v1(62.738,15.621)
  Bottom Layer w0.152: v1(54.102,21.59) 54.483,21.209 60.063,21.209 62.738,18.534 v1(62.738,15.621)
SW_KEY_NET2: 1.5 U1.16 | length 21.3
  Top Layer w0.152: U1.16 49.996,23.701 50.606,23.09 50.776,23.09 51.397,23.711 53.244,23.711 54.991,21.963 v1(54.991,21.844) ; 1.5 60.519,16.72 63.71,16.72 v1(63.754,16.764)
  Bottom Layer w0.152: v1(54.991,21.844) 59.867,21.844 63.754,17.957 v1(63.754,16.764)
SWCLK/PA14: R2.1 U1.49 | length 34.5
  Top Layer w0.152: R2.1 v1(9.056,36.176) ; v1(36.068,25.654) 36.068,24.511 36.809,23.77 U1.49
  Bottom Layer w0.152: v1(9.056,36.176) 25.673,36.176 35.907,25.942 35.907,25.939 36.068,25.778 v1(36.068,25.654)
SWDIO/PA13: R1.1 U1.46 | length 33.7
  Top Layer w0.152: R1.1 v1(9.056,37.426) ; v1(34.036,29.718) 34.925,29.718 36.703,27.94 36.703,27.767 U1.46
  Bottom Layer w0.152: v1(9.056,37.426) 25.185,37.426 32.893,29.718 v1(34.036,29.718)
TOUCH: P2.2 U1.55 | length 39.9
  Top Layer w0.152: U1.55 37.592,20.241 37.592,17.499 42.036,13.056 54,13.056 56.388,10.668 61.849,10.668 62.992,9.525 62.992,5.144 61.815,3.967 P2.2
UART4_RX: P2.4 U1.52 | length 38.2
  Top Layer w0.152: U1.52 36.881,21.651 36.881,17.779 41.909,12.751 53.742,12.751 56.13,10.363 61.519,10.363 62.611,9.271 62.611,7.263 61.815,6.467 P2.4
UART4_TX: P2.5 U1.51 | length 34.5
  Top Layer w0.152: U1.51 36.576,22.054 36.576,17.653 41.783,12.446 53.616,12.446 58.266,7.796 61.186,7.796 P2.5
UART5_RX: P4.3 U1.54 | length 43.3
  Top Layer w0.152: P4.3 v1(5.811,9.281) ; U1.54 38.577,21.968 39.85,23.241 v1(40.259,23.241)
  Bottom Layer w0.152: v1(5.811,9.281) 25.029,9.281 38.989,23.241 v1(40.259,23.241)
UART5_TX: P4.2 U1.53 | length 43.9
  Top Layer w0.152: P4.2 v1(5.811,10.531) ; U1.53 39.751,23.815 v1(39.751,24.892)
  Bottom Layer w0.152: v1(5.811,10.531) 25.39,10.531 38.735,23.876 v1(39.751,24.892)
USART1_RX: P5.3 U1.43 | length 39
  Top Layer w0.152: P5.3 v1(5.811,26.172) ; v1(24.384,33.655) 32.936,33.655 U1.43
  Bottom Layer w0.152: v1(5.811,26.172) 16.901,26.172 v1(24.384,33.655)
USART1_TX: P5.2 U1.42 | length 39.4
  Top Layer w0.152: P5.2 v1(5.811,27.422) ; v1(24.384,34.544) 32.766,34.544 33.264,34.046 33.264,34.034 U1.42
  Bottom Layer w0.152: v1(5.811,27.422) 17.262,27.422 v1(24.384,34.544)
USB_FS_N: FL1.4 R12.1 U1.44 | length 20.9
  Top Layer w0.152: R12.1 20.339,29.305 20.413,29.231 20.764,29.231 20.785,29.21 24.571,29.21 26.248,30.886 34.932,30.886 37.557,28.26 37.589,28.26 38.189,27.661 U1.44
USB_FS_P: FL1.1 R11.1 U1.45 | length 20.5
  Top Layer w0.152: R11.1 20.339,28.607 20.413,28.681 FL1.1 ; FL1.1@20.653,28.653 24.589,28.653 26.416,30.48 34.763,30.48 37.27,27.973 37.27,27.942 37.87,27.342 U1.45
USB_N: D6.1 FL1.3 R12.2 USB1.A7 USB1.B7 | length 30.4
  Top Layer w0.152: USB1.A7 4.83,45.724 4.953,45.847 5.715,45.847 5.842,45.72 USB1.B7@5.842,44.736 ; USB1.B7 5.783,44.677 5.783,42.604 6.325,42.062 12.294,42.062 16.205,38.151 16.205,30.033 17.079,29.159 17.573,29.159 17.782,29.368 D6.1 18.032,29.368 18.256,29.144 19.027,29.144 19.114,29.231 FL1.3 19.415,29.231 19.489,29.305 R12.2
USB_P: D5.1 FL1.2 R11.2 USB1.A6 USB1.B6 | length 31
  Top Layer w0.152: USB1.B6@4.318,44.712 4.318,43.728 4.445,43.601 5.207,43.601 5.33,43.724 USB1.A6@5.33,44.656 ; USB1.A6 USB1.A6@5.33,44.656 ; R11.2 19.489,28.607 19.415,28.681 FL1.2 19.258,28.737 18.245,28.737 18.156,28.648 18.156,28.637 18.032,28.513 D5.1 17.782,28.513 17.542,28.753 16.911,28.753 15.799,29.865 15.799,37.983 12.125,41.656 6.156,41.656 5.377,42.435 5.377,44.609 USB1.A6@5.33,44.656
USBVCC: C26.1 C27.1 R14.1 U4.1 USB1.A4 USB1.A9 USB1.B4 USB1.B9 | length 51.1
  Top Layer w0.305: U4.1 26.659,12.232 C27.1 C26.1 26.659,16.245 27.051,16.637 R14.1
  Top Layer w0.61: USB1.A9@2.675,44.279 2.675,43.925 2.637,43.887 2.637,41.251 2.994,40.894 8.636,40.894 12.954,36.576 12.954,26.543 22.86,16.637 27.051,16.637 R14.1
VCC3V3: 1.33 C4.2 C5.2 C6.2 C7.2 C11.2 C12.2 C17.1 C18.1 F1.1 P3.1 R8.2 R10.1 TP1.1 U1.1 U1.19 U1.32 U1.48 U1.64 U2.5 | length 154.3
  Top Layer w0.152: P3.1 v1(5.811,19.792) ; C7.2 35.159,27.164 35.891,27.164 U1.48 ; C5.2 40.996,16.298 40.996,17.281 U1.64 ; U1.1 45.461,17.595 v1(45.461,16.991) C12.2 C11.2 ; U1.32 45.671,32.563 45.671,33.121 45.707,33.156 45.707,33.331 C6.2 ; U1.19 50.562,28.261 50.562,28.476 C4.2 50.915,28.829 50.956,28.829 51.78,28.005 51.78,26.253 v1(51.562,26.035) ; v1@52.832,20.574 v1(52.826,20.58) 52.826,21.907 R10.1
  Top Layer w0.305: v1(5.811,19.792) 8.997,19.792 11.049,21.844 v1(11.049,30.734) v1(11.049,32.131) 9.398,33.782 F1.1 ; v1(26.289,25.273) 26.347,25.331 26.347,25.757 26.67,26.08 v1(26.67,26.162) 26.675,26.167 26.675,27.3 v1(26.679,27.305) C17.1 ; U2.5 27.117,25.712 27.517,26.112 C18.1 C17.1 ; TP1.1 27.475,28.532 27.475,27.348 C17.1 ; v1(34.798,25.908) 34.798,26.804 C7.2 ; C5.2@40.996,16.298 v1(41.588,16.891) ; v1(45.079,33.959) C6.2 ; v1(50.546,11.303) R8.2 ; 1.33 60.454,30.651 62.44,30.651 v1(62.484,30.607)
  PWR w0.305: 20.447,32.766 21.218,32.766 ; v1(26.679,27.305) 26.679,17.136 28.321,15.494 40.191,15.494 v1(41.588,16.891) ; v1(50.546,11.303) 50.488,11.361 50.234,11.361 45.461,16.134 v1(45.461,16.991) ; 51.562,35.941 51.5,35.941 50.992,36.449 47.568,36.449 v1(45.079,33.959) 41.726,30.607 39.497,30.607 v1(34.798,25.908) 34.798,23.681 v1(41.588,16.891) ; v1(52.826,20.58) 52.451,20.955 51.054,20.955 50.143,20.044 48.514,20.044 ; v1(62.484,30.607) 58.833,30.607 57.817,31.623 56.388,31.623 55.499,30.734 55.499,29.972 v1(51.562,26.035) 48.514,22.987 48.514,20.044 ; v1(41.588,16.891) 41.638,16.941 45.411,16.941 v1(45.461,16.991) ; v1(45.461,16.991) 48.514,20.044
VCC5V: C15.1 C16.1 C22.1 C23.1 C28.1 C29.1 P4.1 P5.1 R14.2 U2.1 U2.3 U3.1 U3.3 U4.8 | length 76.2
  Top Layer w0.152: P4.1 v1(5.811,11.781) ; P5.1 v1(5.811,28.672)
  Top Layer w0.305: C23.1 C22.1 27.517,19.838 27.117,20.239 U2.1 27.117,22.545 27.432,22.86 28.702,22.86 29.017,22.545 U2.3 U3.1 ; v1(30.099,19.812) 31.05,19.812 C15.1 ; U4.8 32.082,12.192 31.946,12.328 C28.1 C29.1 31.898,14.907 31.898,14.962 30.414,16.446 R14.2 30.414,16.827 31.073,17.487 C16.1 C15.1 ; U3.3 32.573,22.545 32.258,22.86 30.988,22.86 30.673,22.545 U3.1 ; U3.1 30.673,20.239 31.073,19.838 C15.1
  Top Layer w0.61: P4.1 5.029,14.91 3.175,16.764 3.175,20.066 7.874,24.765 7.874,28.067 7.269,28.672 v1(5.811,28.672)
  Bottom Layer w0.61: v1(5.811,11.781) 23.187,11.781 v1(30.099,18.693) v1(30.099,19.812)
VCC_LCD: 1.39 C24.1 C25.1 P2.1 P2.3 Q1.2 R6.2 TP2.1 U3.5 | length 86.6
  Top Layer w0.305: U3.5 30.673,25.712 31.073,26.112 C25.1 C24.1 31.031,27.348 31.031,28.532 TP2.1 v1(30.988,29.625) ; v1(53.357,35.626) 53.37,35.612 54.978,35.612 R6.2 55.041,35.599 55.089,35.647 55.089,35.666 55.43,36.007 Q1.2 56.836,36.007 58.293,34.55 v1(58.293,34.544) 59.184,33.653 1.39 ; P2.1 60.021,2.717 59.69,3.048 v1(59.69,3.937) 59.69,4.826 60.081,5.217 P2.3
  PWR w0.305: v1(30.988,29.625) 30.988,33.147 35.052,37.211 51.689,37.211 53.274,35.626 v1(53.357,35.626) ; v1(58.293,34.544) 61.214,34.544 64.897,30.861 64.897,5.207 63.627,3.937 v1(59.69,3.937)
WS2812_CTR1: R9.1 U1.58 | length 19.1
  Top Layer w0.152: U1.58 41.696,22.224 41.696,22.392 v1(41.783,22.479) ; v1(53.522,17.708) 54.394,18.58 R9.1
  Bottom Layer w0.152: v1(41.783,22.479) 42.799,22.479 48.006,17.272 53.086,17.272 v1(53.522,17.708)
WS2812_CTR2: R9.2 U1.59 | length 18.3
  Top Layer w0.152: U1.59 41.746,21.567 42.077,21.567 v1(42.164,21.654) ; v1(53.632,16.853) 54.81,18.03 R9.2
  Bottom Layer w0.152: v1(42.164,21.654) 43.193,21.654 47.994,16.853 v1(53.632,16.853)
WS2812_CTR3: R9.3 U1.61 | length 17.7
  Top Layer w0.152: U1.61 42.334,20.741 42.585,20.741 v1(42.672,20.828) ; v1(53.594,16.002) 55.08,17.488 55.465,17.488 R9.3
  Bottom Layer w0.152: v1(42.672,20.828) 43.307,20.828 48.133,16.002 v1(53.594,16.002)
WS2812_CTR4: R9.4 U1.62 | length 17.3
  Top Layer w0.152: U1.62 42.366,20.066 v1(42.926,20.066) ; v1(53.594,15.153) 53.594,15.167 55.407,16.98 R9.4
  Bottom Layer w0.152: v1(42.926,20.066) 43.638,20.066 48.551,15.153 v1(53.594,15.153)
pads on no net: 1.0 P1.MP1 P1.MP2 P2.MP1 P2.MP2 P3.MP1 P3.MP2 P4.MP1 P4.MP2 P5.MP1 P5.MP2 U1.28 U1.50 U2.4 U3.4 USB1.0 USB1.1 USB1.2 USB1.3 USB1.4 USB1.A5 USB1.A8 USB1.B5 USB1.B8

## Polygon pours and split planes (outlines as drawn)
GND on Top Layer "NONET_L-01_P-001" (solid, remove dead copper, pour order 13): -3.429,55.88 -5.588,53.721 -5.588,-2.794 68.326,-2.794 72.136,1.016 72.136,50.546 66.802,55.88
VCC3V3 on Top Layer "NONET_L-01_P-001" (solid, pour order 12): 26.797,29.083 25.908,28.194 25.908,24.638 26.797,23.749 27.559,23.749 27.559,25.527 27.94,25.908 27.94,29.083
USBVCC on Top Layer "NONET_L-01_P-001" (solid, pour order 11): 2.286,44.069 2.286,46.355 3.683,47.752 6.604,47.752 7.874,46.482 7.874,43.942 7.747,43.815 7.366,43.815 7.112,44.069 7.112,45.466 6.35,46.228 3.683,46.228 3.048,45.593 3.048,43.942 2.921,43.815 2.54,43.815
USBVCC on Top Layer "NONET_L-01_P-001" (solid, pour order 6): 25.527,16.383 25.527,12.065 25.908,11.684 27.432,11.684 27.686,11.938 27.686,12.446 27.432,12.7 26.924,12.7 26.924,12.954 26.924,16.129 28.829,16.129 28.829,17.272 26.416,17.272
VCC5V on Top Layer "NONET_L-01_P-001" (solid, pour order 5): 29.718,21.844 29.718,16.129 29.845,16.002 30.858,16.002 31.496,15.364 31.496,12.065 31.877,11.684 33.401,11.684 33.909,12.192 33.909,15.367 31.369,17.907 31.369,20.32 30.988,20.701 30.988,22.225
VCC5V on Top Layer "NONET_L-01_P-001" (solid, pour order 4): 28.702,20.701
VCC5V on Top Layer "NONET_L-01_P-001" (solid, pour order 3): 26.67,22.86 26.67,18.923 27.178,18.415 27.813,18.415 27.813,20.193 27.432,20.574 27.432,22.352 27.559,22.479 28.575,22.479 28.575,22.352 28.702,22.225 28.702,20.701 30.988,20.701 30.988,22.225 31.369,22.606 31.877,22.606 32.258,22.225 32.258,20.701 32.893,20.701 32.893,22.733 32.385,23.241 27.051,23.241
BAT on Top Layer "NONET_L-01_P-001" (solid, pour order 2): 38.862,12.7 38.862,9.652 37.846,8.636 35.941,8.636 35.941,6.223 36.195,5.969 40.767,5.969 41.529,6.731 41.529,10.033 40.64,10.922 40.64,12.7
NetC30_2 on Top Layer "NONET_L-01_P-001" (solid, pour order 1): 31.496,10.414 33.782,10.414 34.29,9.906 34.29,9.271 35.179,9.271 35.56,8.89 35.56,6.096 34.417,6.096 34.417,7.62 33.274,8.763 31.496,8.763
NetL1_1 on Top Layer "NONET_L-01_P-001" (solid, pour order 0): 31.496,11.557 31.496,10.414 33.782,10.414 34.29,9.906 34.29,9.271 35.814,9.271 35.814,12.573 34.29,12.573 34.29,12.192 33.655,11.557
VCC3V3 on PWR "NONET_L-01_P-001" (solid, pour order 7): 9.906,32.512 9.906,23.368 19.181,14.093 44.129,14.093 49.082,9.14 50.098,9.14 50.606,9.648 50.606,13.331 48.066,15.871 48.066,17.522 49.717,19.173 52.003,19.173 52.765,19.935 52.765,21.586 52.257,22.094 49.463,22.094 49.463,23.237 55.305,29.079 60.131,29.079 61.147,28.063 62.798,28.063 63.56,28.825 63.56,30.603 57.464,36.699 41.716,36.699 31.81,26.793 31.81,19.427 29.714,17.331 28.381,18.665 28.381,27.118 22.352,33.147 10.541,33.147
GND on GND "NONET_L-01_P-001" (solid, remove dead copper, pour order 14): 1.143,60.452 1.143,58.42 -6.223,51.054 -6.223,-2.54 -2.921,-5.842 -2.54,-5.461 65.913,-5.461 72.517,1.143 72.517,39.878 51.689,60.706 1.778,60.706
GND on Bottom Layer "NONET_L-01_P-001" (solid, remove dead copper, pour order 15): -3.556,55.245 -3.556,-2.286 69.215,-2.286 69.215,55.245

## Keep-outs
Keep-Out Layer:
  the board outline again, w0.152

## Other copper
Top Layer:
  pour cut-out: 19.374,30.621 19.381,30.628 20.691,30.628 20.691,29.304 20.828,29.167 20.828,28.575 19.613,28.575 18.47,29.718
  pour cut-out: 60.263,8.169 62.189,8.169 62.267,8.091 62.267,2.265 60.263,2.265
  pour cut-out: 24.257,12.954 24.405,12.954 25.791,11.567 27.549,11.567 27.549,8.251 25.139,5.842 23.368,5.842 22.733,6.477 22.733,11.557 24.257,13.081
  pour cut-out: 19.787,14.249 19.787,5.842 24.384,5.842 24.384,14.225
  pour cut-out: 27.94,17.399 27.94,15.872 27.917,15.85 28.019,15.748 29.718,15.748 29.718,17.449
  text "KEYBOARD" at 37.928,37.958 h2.03
Bottom Layer:
  pour cut-out: 50.673,30.861 47.307,27.496 48.387,26.416 56.261,26.416 56.642,26.797 56.642,30.734 56.515,30.861

## Silkscreen, mask and mechanical layers (free items; w line width, h text height)
Top Overlay:
  lines w0.152: 19.177,0.127 18.542,0.762 18.542,15.494 38.735,15.494 45.847,8.382 45.847,0.127
  text "USB" at 8.382,41.684 h2.54
  text "SWD" at 11.529,32.766 h2.54 r90
  text "UART1" at 11.529,23.114 h2.54 r90
  text "RGB" at 11.529,16.383 h2.54 r90
  text "POW_CHECK" at 18.796,16.273 h1.52
  text "LEFT_B" at 55.753,12.463 h1.52
  text "UART5" at 11.529,6.731 h2.54 r90
  text "不扩展无线，不焊接" at 19.686,4.71 h1.52
  text "TOUCH" at 59.038,3.429 h1.52 r90
Bottom Overlay:
  text "|KEYBOARD|" at 52.61,30.677 h5.08
  text "Version-0.0.2" at 52.61,25.877 h4.06
  text "|Designer By SEASKY|" at 52.61,21.596 h4.06
  text "2021/10/15" at 52.61,16.185 h5.08
Top Solder:
  rectangle: 37.211,37.465 48.514,39.751
Mechanical 1:
  circle w0.152: c16.716,47.632 r1.6
  circle w0.152: c62.794,38.918 r1.6
  circle w0.152: c3.5,3.5 r1.6
  lines w0.152: 0,0 66.294,0 66.294,41.529 19.05,41.529 19.05,52.632 0,52.632 0,0